# Altium PCB PCB_Power_Distribution.PcbDoc (part 2 of 3)
Units mm, origin at the board's own origin, x right, y up, seen from the top; angles counter-clockwise.
Board outline 80 x 80 mm, 4 copper layers (Top Layer, GND, POWER, Bottom Layer), stack 1.527 mm thick; 206 components, 111 nets, 596 pads, 345 vias.
Unrouted connection lines stored in the file: 3.
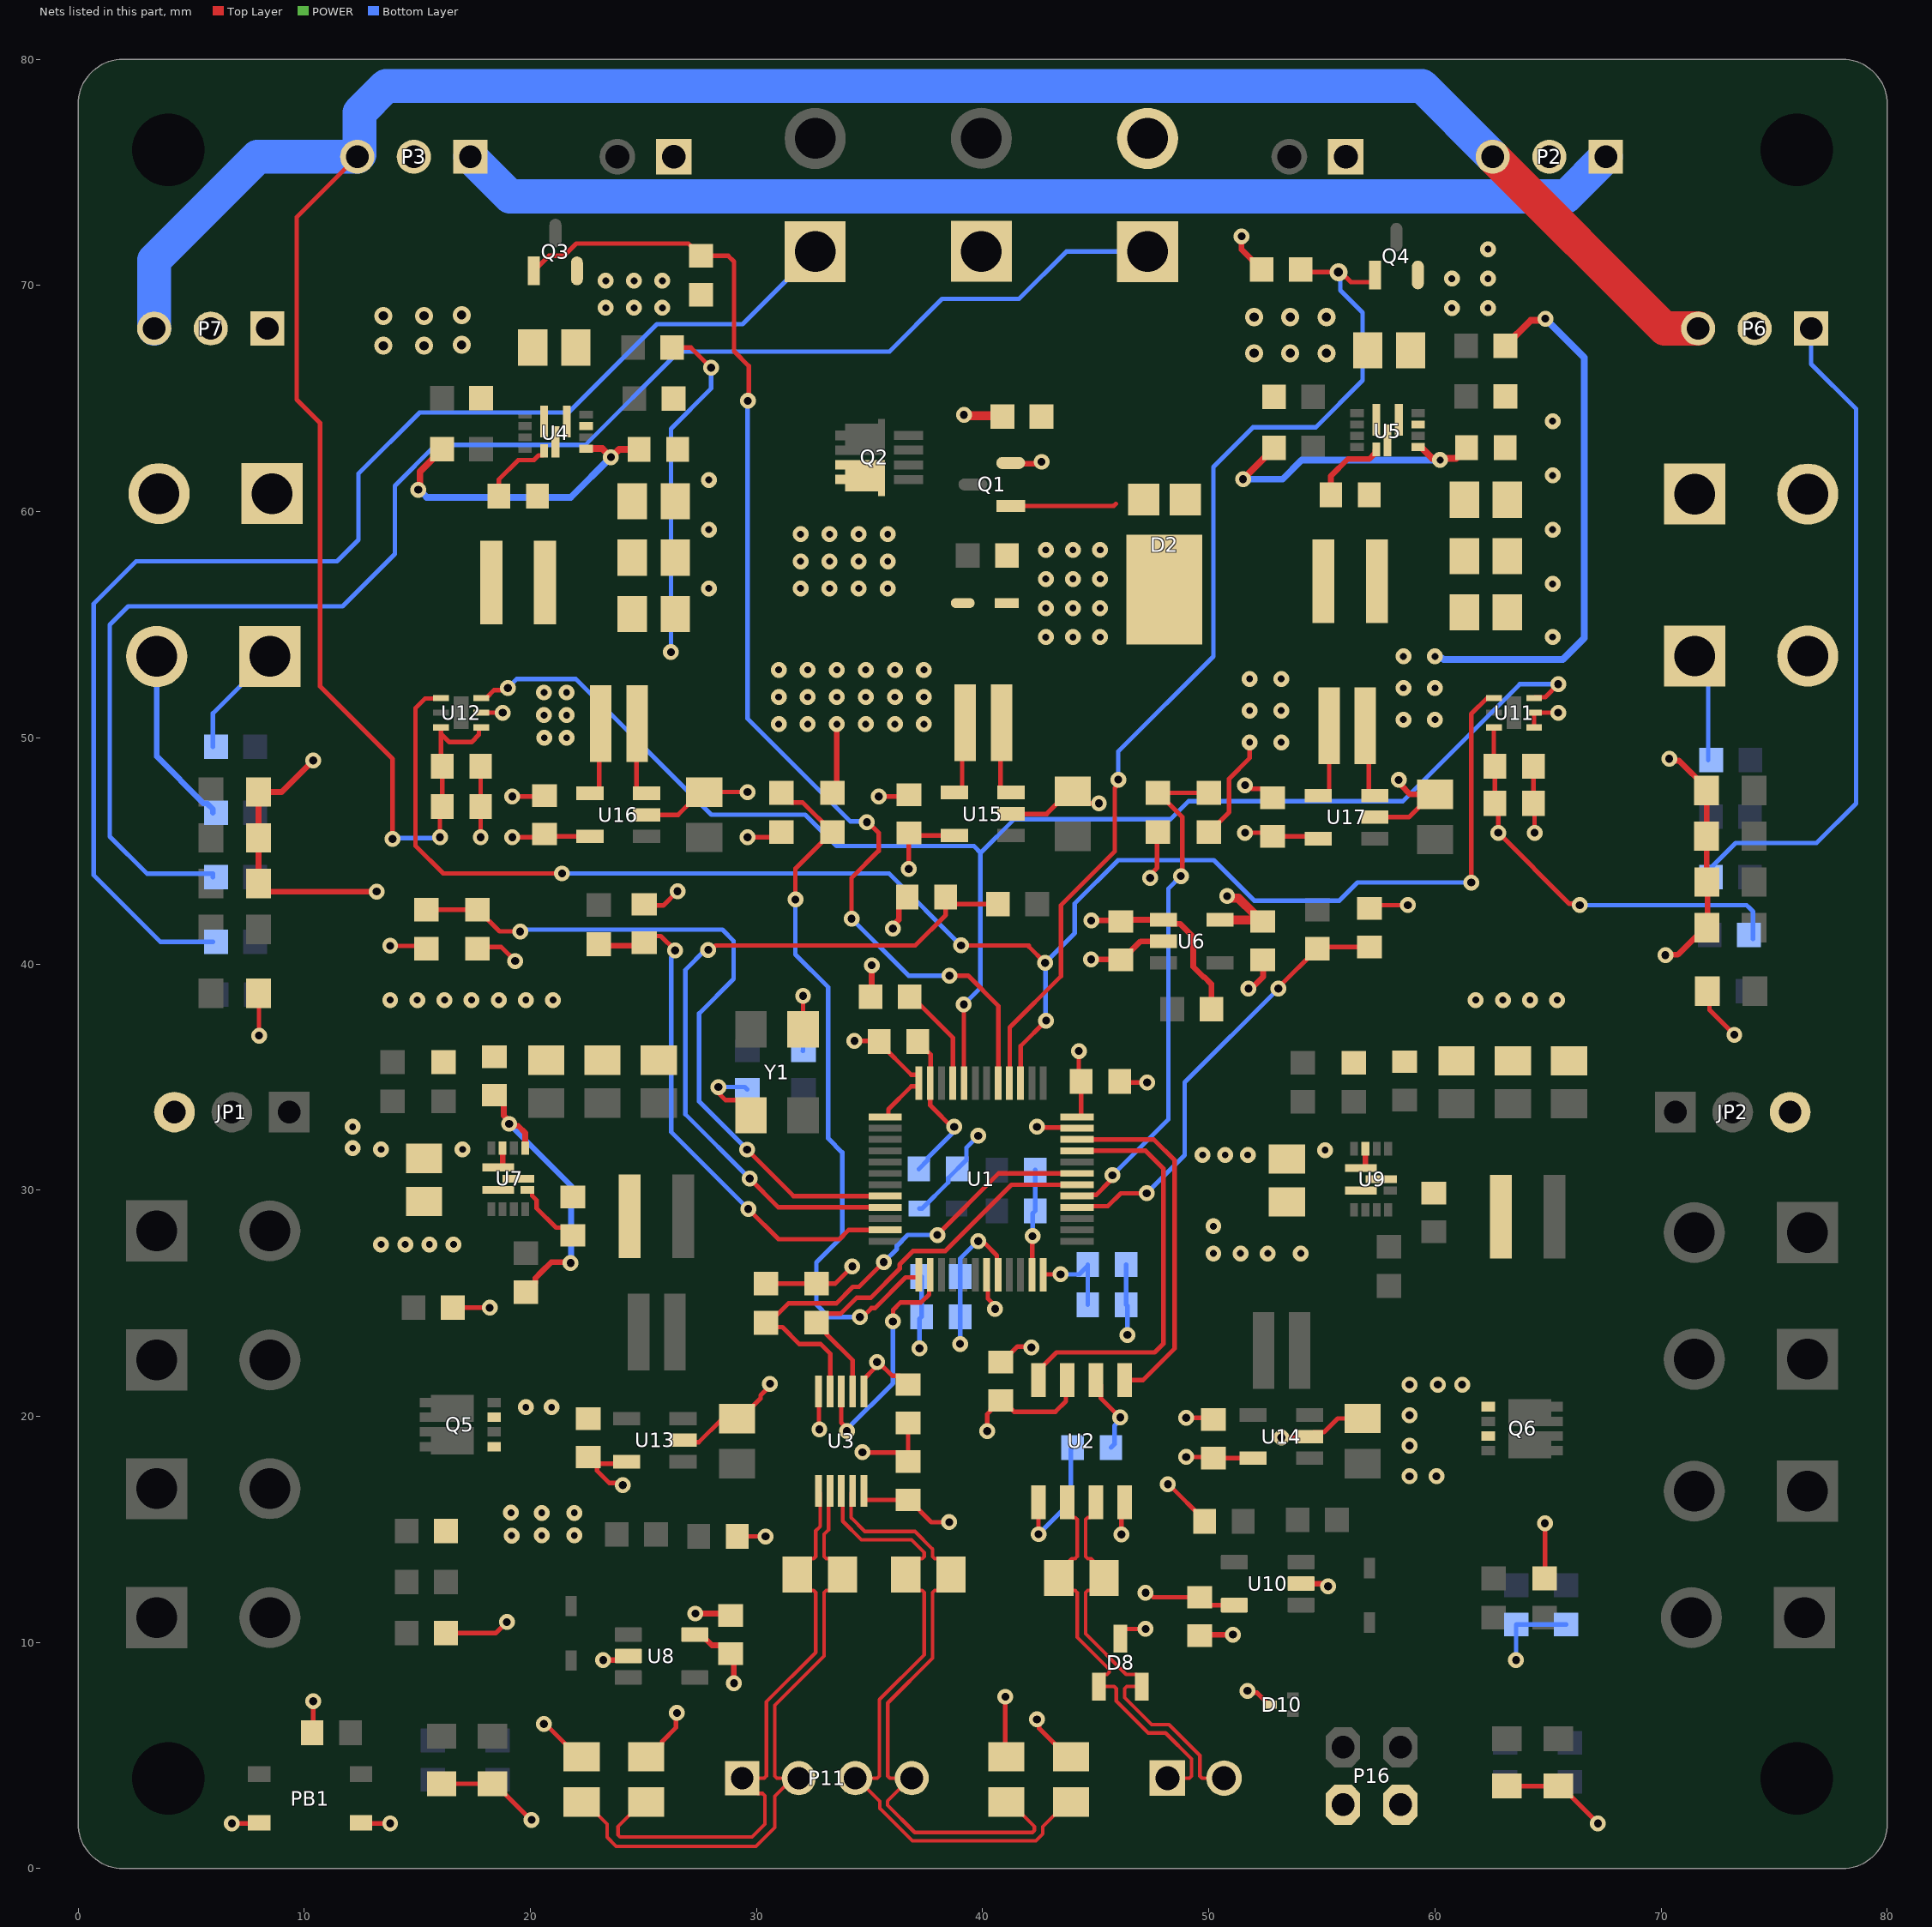
[diagram p4: the nets of this part, all layers, seen from the top]

## Part data
C1 C3 C4 C5 C11 C13 C14 C15 C16 C17 C23 C31 C37 C38 C44 C45 C47 C49 C50 C53 C54 C57: library part CMP-015-000000-1, "Capacitor, 100nF, 0603, 25V", Manufacturer="Wurth Elektronik", Manufacturer Part Number=885012206071, Voltage=25V
  C17: ClassName=REG5V
  C23: ClassName=REG3V3
  C31: ClassName=1PyroREG
  C37 C44 C49: ClassName="1Pyro OPAMP"
  C38: ClassName=2PyroREG
  C50: ClassName="1PyroR OPAMP"
  C53: ClassName="11V OPAMP"
  C54: ClassName="5V OPAMP"
  C57: ClassName="3V3 OPAMP"
C2 C7 C9 C22 C28 C29 C30 C36 C43: library part CMP-015-000000-1, "Capacitor, 1uF, 0603, 25V", Manufacturer="Wurth Elektronik", Manufacturer Part Number=885012206052, Volte=25V
  C22: ClassName=REG5V
  C28: ClassName=REG3V3
  C36: ClassName=1PyroREG
  C43: ClassName=2PyroREG
C6: library part CMP-015-000000-1, "Capacitor, 4.7uF, 0603, 25V", Manufacturer="Wurth Elektronik", Manufacturer Part Number=885012106012, Volte=10V
C8: library part CMP-015-000000-1, "Capacitor, 10nF, 0603, 25V", Manufacturer="Wurth Elektronik", Manufacturer Part Number=885012206065
C10 C12: library part CMP-015-000000-1, "Capacitor, 22pF, 0603, 25V", Manufacturer="Wurth Elektronik", Manufacturer Part Number=885012006034, Volte=25V
C18 C19 C20 C21 C24 C32 C33 C34 C35 C39 C40 C41 C42: library part CMP-015-000000-1, "Capacitor, 22uF, 0805, 25V", Manufacturer=Samsung, Manufacturer Part Number=CL21A226MAYNNNE, Voltage=25V, ClassName=REG5V
C25 C26 C27: library part CMP-015-000000-1, "None polar capacitor", Manufacturer=Samsung, Manufacturer Part Number=CL21A226MAYNNNE, Voltage=25V, ClassName=REG5V
C46 C48: library part CMP-015-000000-1, "Capacitor, 4.7uF, 0603, 10V", ASiD Part Number=C-AS, Manufacturer="Wurth Elektronik", Manufacturer Part Number=885012106012, Volte=10V, Component Type=Standard, Design Item ID="Cap ceramic", Pin Count=2, Source=PCB_Project1.SCHLIB
C51 C52 C55 C56 C58: library part CMP-015-000000-1, "Capacitor, 3.3nF, 0603, 25V", Manufacturer="Wurth Elektronik", Manufacturer Part Number=885012206062, Volte=25V
D1: library part CMP-1426-00012-2, "LED, 0805, Yellow", Case Code (Imperial)=0805, Case Code (Metric)=2012, Color=Yellow, Forward Current=100mA, Forward Voltage=2V, Manufacturer="Wurth Elektronik", Manufacturer Part Number=150080YS75000, Max Junction Temperature (Tj)=95°C, Max Operating Temperature=85°C, Max Reverse Voltage (DC)=5V, Min Operating Temperature=-40°C, Power Dissipation=72mW, Test Current=20mA, Case/Package=0805, Dominant Wavelength=590nm, Height=700µm, Length=2mm, Lens Style="Clear, Rectangular", Luminous Intensity=120mcd, Mount="Surface Mount", NexarPartId=29717784, Packaging="Tape and Reel", Peak Wavelength=595nm, REACH SVHC=Unknown, Reverse Voltage=5V, RoHS=Compliant, Viewing Angle=140°, Wavelength=590nm, Width=1.25mm
D2: library part CMP-004-00009-1, "Rectifier Diode, 1 Phase, 1 Element, 20A, 60V V(RRM), Silicon", Manufacturer="Diodes Incorporated", Manufacturer Part Number=SBRT20U60SP5-7
D3 D4 D5 D6 D7: library part CMP-1426-00007-2, "LED, 0805, Green", Manufacturer="Wurth Elektronik", Manufacturer Part Number=150080GS75000
D8: library part CMP-004-00006-2, "Supresor de ESD / diodos TVS 27V CAN BUS Protection", Case/Package=None, Manufacturer=Onsemi, Manufacturer Part Number=NUP2105LT1G, Pins=3
D9: library part CMP-14432-000007-1, "TVS DIODE 15VWM 44VC SOD323", Manufacturer=Nexperia, Manufacturer Part Number=PESD15VL1BA,115
D10: library part CMP-004-00007-1, "Supresores de ESD / diodos TVS TVS 400W, Stand-off voltage = 15V, +/- 5%, Bi-dir", Manufacturer="Micochip Technology", Manufacturer Part Number=SMAJ15CAE3/TR13
D11 D16 D19 D20: library part CMP-1426-00011-2, "LED, 0805, Red", Case Code (Imperial)=0805, Case Code (Metric)=2012, Color=Red, Forward Current=100mA, Forward Voltage=2V, Manufacturer="Wurth Elektronik", Max Operating Temperature=85°C, Max Reverse Voltage (DC)=5V, Min Operating Temperature=-40°C, Test Current=20mA, Case/Package=0805, Dominant Wavelength=625nm, Height=700µm, Length=2mm, Lens Style="Clear, Rectangular", Luminous Intensity=150mcd, Manufacturer Part Number=150080RS75000, Mount="Surface Mount", NexarPartId=29717781, Packaging="Tape and Reel", Peak Wavelength=630nm, REACH SVHC=Unknown, RoHS=Compliant, Viewing Angle=140°, Wavelength=625nm, Width=1.25mm
D12: library part CMP-03913-89970695-1, "LED, 0805, Amber", Manufacturer="Wurth Elektronik", Manufacturer Part Number=150080AS75000
D13 D18: library part CMP-100-000001-3, "BAT54HGW Schotty Diode", Manufacturer=Nexperia, Manufacturer Part Number=BAT54HGW
D14 D15: library part CMP-1426-00011-2, Case Code (Imperial)=0805, Case Code (Metric)=2012, Color=Red, Forward Current=100mA, Forward Voltage=2V, Manufacturer="Wurth Elektronik", Max Operating Temperature=85°C, Max Reverse Voltage (DC)=5V, Min Operating Temperature=-40°C, Test Current=20mA, Case/Package=0805, Dominant Wavelength=625nm, Height=700µm, Length=2mm, Lens Style="Clear, Rectangular", Luminous Intensity=150mcd, Manufacturer Part Number=150080RS75000, Mount="Surface Mount", NexarPartId=29717781, Packaging="Tape and Reel", Peak Wavelength=630nm, REACH SVHC=Unknown, RoHS=Compliant, Viewing Angle=140°, Wavelength=625nm, Width=1.25mm
D17: library part CMP-03913-89970695-1, "Amber", Manufacturer="Wurth Elektronik", Manufacturer Part Number=150080AS75000
FB1: library part CMP-0220-00174-3, "Ferrite Bead, 120R at 100MHz, 0603, 2 A", Manufacturer="Wurth Elektronik", Manufacturer Part Number=742792625
JP1 JP2: library part CMP-002-00265-1
L1 L3 L4: library part CMP-03913-66963831-2, "74438356015 Fixed Ind 1.5UH 5.8A 19 Mohm SMD", Manufacturer="Wurth Elektronik", Manufacturer Part Number=74438356015
  L1: ClassName=REG5V
  L3: ClassName=1PyroREG
  L4: ClassName=2PyroREG
L2: library part CMP-207846-000036-3, "FIXED IND 1.2UH 5.8A 18 MOHM SMD", Manufacturer="Wurth Elektronik", Manufacturer Part Number=74438356012, ClassName=REG3V3
P1 P10 P15: library part CMP-016-000011-6, "Header, 2-Pin", ASiD Part Number="Header 2-AS", Component Type=Standard, Design Item ID="Header 2", Pin Count=2, Source=PCB_Project1.SCHLIB
P2 P3 P6 P7: library part CMP-016-000017-5, "Header, 3-Pin", ASiD Part Number="Header 3-AS", Component Type=Standard, Design Item ID="Header 3", Pin Count=3, Source=PCB_Project1.SCHLIB
P4 P8 P9 P17 P18 P19 P20 P21 P22 P23 P24: library part CMP-002-00004-11, "XT30PW-M公头 Socket,DCsupply,XT30,male,PIN:2", Manufacturer=AMASS
  P4 P9 P17 P18 P19 P20 P21 P22 P23 P24: Manufacturer Part Number=XT30U-M-Black
  P8: Manufacturer Part Number=XT30U-F-Black
P5: library part CMP-002-00004-7, "XT30PW-M公头 Socket,DCsupply,XT30,male,PIN:2", Manufacturer=AMASS, Manufacturer Part Number=XT30U-F-Yellow
P11: library part CMP-016-000019-4, "Header, 4-Pin", ASiD Part Number="Header 4-AS", Component Type=Standard, Design Item ID="Header 4", Pin Count=4, Source=PCB_Project1.SCHLIB
P12 P13 P14: library part CMP-002-00004-7, "XT30PW-M公头 Socket,DCsupply,XT30,male,PIN:2", Manufacturer=AMASS, Manufacturer Part Number=XT30U-M-Yellow
P16: library part CMP-016-000016-1, "Header, 2-Pin, Dual row"
PB1: library part CMP-010-000001-2, "Push Button", Component Type=Standard, Design Item ID="Push Button", Pin Count=2, Source=IFS_Altium.SchLib
Q1 Q3 Q4: library part CMP-013-00010-1, "Power Field-Effect Transistor, 6.3A I(D), 20V, 0.021ohm, 1-Element, N-Channel, Silicon, Metal-oxide Semiconductor FET, TO-236AB", Max Operating Temperature=150°C, Pins=3, RoHS Compliant=Yes
Q2: library part CMP-013-00009-3, "Power Field-Effect Transistor, 101A I(D), 30V, 0.0045ohm, 2-Element, N-Channel, Silicon, Metal-oxide Semiconductor FET", RoHS Compliant=Yes
Q5 Q6: library part CMP-013-00011-1, "Small Signal Field-Effect Transistor", RoHS Compliant=Yes
R1 R17 R19 R28 R48 R49 R50 R53 R54 R55 R61 R62: library part R, "Resistor, 10K, 0603, 0.1W", Manufacturer=Wurth, Manufacturer Part Number=560112116005, Power Disipation=0.1W
  R1 R17 R19 R28 R48 R49 R53 R54 R55 R61 R62: ClassName=2PyroREG
  R50: ClassName=DroguePyroREG
R2 R36 R41 R42 R46 R51 R52: library part CMP-009-000000-3, "Resistor, 1K, 0603, 0.1W", Manufacturer=Wurth, Manufacturer Part Number=560112116014, Power Disipation=0.1W
R3 R8 R9 R11: library part CMP-009-000000-3, "Resistor, 600R, 0805, 0.5W", Manufacturer=Panasonic, Manufacturer Part Number=ERJ-6ENF6040V, Power Disipation=0.125W
R4 R7 R10: library part CMP-009-000000-3, "Resistor, 120R, 0805, 0.25W", Manufacturer=Vishay, Manufacturer Part Number=RCS0805120RFKEA, Power Disipation=0.5W
R5 R6: library part CMP-009-000000-3, "Resistor, 1.5K, 0603, 0.1W", Manufacturer=Wurth, Manufacturer Part Number=560112116038, Power Disipation=0.1W
R12 R13 R18 R20 R23 R31 R32 R37 R47 R60: library part R, "Resistor, 100K, 0603, 0.1W", Manufacturer=Wurth, Manufacturer Part Number=560112116004, Power Disipation=0.1W, ClassName=REG5V
R14 R15 R21 R33 R43: library part CMP-009-000000-6, "Resistor, 5m, 0612, 2W", Manufacturer=Vishay, Manufacturer Part Number=WFCP06125L000FE66
  R14: ClassName="5V OPAMP"
  R15: ClassName="11V OPAMP"
  R21: ClassName="3V3 OPAMP"
  R33: ClassName="1Pyro OPAMP"
  R43: ClassName="2Pyro OPAMP"
R16: library part R, "Resistor, 75K, 0603, 0.1W", Manufacturer=Wurth, Manufacturer Part Number=560112110261, Power Disipation=0.1W, ClassName=REG5V
R22: library part R, "Resistor, 45.3kK, 0603, 0.1W", Manufacturer=Wurth, Manufacturer Part Number=560112110243, Power Disipation=0.1W, ClassName=REG3V3
R24 R25 R26: library part CMP-009-000000-3, "Resistor, 4K, 0603, 0.1W", Manufacturer=Wurth, Manufacturer Part Number=560112116093, Power Disipation=0.1W
R27: library part CMP-009-000000-3, "Resistor, 470K, 0603, 0.1W", Manufacturer=Wurth, Manufacturer Part Number=560112116067, Power Disipation=0.1W
R29: library part CMP-009-000000-3, "Resistor, 1kK, 0603, 0.1W", Manufacturer=Wurth, Manufacturer Part Number=560112116014, Power Disipation=0.1W
R30: library part R, "Resistor, 75K, 0603, 0.1W", Manufacturer=Wurth, Manufacturer Part Number=560112116004, Power Disipation=0.1W, ClassName=REG5V
R34 R44: library part CMP-009-000000-3, "Resistor, 4.7K, 0603, 0.1W", Manufacturer=Wurth, Manufacturer Part Number=560112116006, Power Disipation=0.1W
R35 R45: library part R, "Resistor, 105K, 0603, 0.1W", Manufacturer=Wurth, Manufacturer Part Number=560112110183, Power Disipation=0.1W
  R35: ClassName=1PyroREG
  R45: ClassName=2PyroREG
R38 R39 R40: library part R, "Resistor, 10K, 0603, 0.1W", Manufacturer=Vishay, Manufacturer Part Number=RCS060310K0FKEA, Power Disipation=0.25W
  R38 R39: ClassName=1PyroREG
  R40: ClassName=MainPyroREG
R56 R57 R59: library part CMP-009-000000-3, "Resistor, 15K, 0603, 0.1W", Manufacturer=Wurth, Manufacturer Part Number=560112116035, Power Disipation=0.1
R58: library part CMP-009-000000-3, "Resistor, 2.4K, 0603, 0.1W", Manufacturer=Wurth, Manufacturer Part Number=560112116061, Power Disipation=0.1W
R63 R64 R67 R68 R71: library part CMP-009-000000-3, "Resistor, 470R, 0603, 0.1W", Manufacturer=Wurth, Manufacturer Part Number=560112116067, Power Disipation=0.1W
R65 R66 R69 R70 R72: library part CMP-009-000000-3, "Resistor, 400K, 0805, 125mW", Manufacturer=Vishay, Manufacturer Part Number=CRCW0805400KJNTA, Power Disipation=125mW
  R65: ClassName="1Pyro OPAMP"
  R66: ClassName="1PyroR OPAMP"
  R69: ClassName="11V OPAMP"
  R70: ClassName="5V OPAMP"
  R72: ClassName="3V3 OPAMP"
U1: library part CMP-020-00001-5, "Microcontroladores ARM (MCU) Mainstream Arm Cortex-M4+ MCU 170MHz 512Kbytes Math Accelerator High Analog", Manufacturer=STMicroelectronics, Manufacturer Part Number=STM32G483CET3
U2: library part CMP-00024-00000-3, "Interfaz CI CAN CAN FD Transceiver with Silent Mode", Manufacturer="Microchip Technology", Manufacturer Part Number=MCP2558FD-H/SN
U3: library part CMP-00024-00001-1, "2 Channel  I2C-busbuffer", Manufacturer="NXP Semiconductors", Manufacturer Part Number=PCA9615DPZ
U4 U5 U7 U9: library part CMP-012-00004-1, "Switching Regulator, 1200kHz Switching Freq-Max", Manufacturer="Diodes Incorporated", Manufacturer Part Number=AP62600SJ-7
  U4: ClassName=REG5V
  U5: ClassName=REG3V3
  U7: ClassName=1PyroREG
  U9: ClassName=2PyroREG
U6: library part CMP-087-000000-3, "LDO Voltage Regulators 1A Low-IQ Small-Size Low-Dropout (LDO) Regulator 5-SOT-23 -40 to 125", Manufacturer="Texas Instruments", Manufacturer Part Number=TLV75733PDBVR
U8: library part CMP-0272-00929-3, "Single-Supply, Rail-to-Rail Operational Amplifier MicroAmplifier(TM) Series, 2.7 to 5.5 V, -40 to 85 degC, 5-pin SOT23 (DBV5), Green (RoHS & no Sb/Br)", Manufacturer="Texas Instruments", ComponentLink1Description="Manufacturer URL", ComponentLink1URL=http://www.ti.com/, ComponentLink2Description=Datasheet, ComponentLink2URL=http://www.ti.com/general/docs/lit/getliterature.tsp?genericPartNumber=OPA340&fileType=pdf, ComponentLink3Description="Package Specification", ComponentLink3URL=http://www.ti.com/litv/pdf/mpds018i, Manufacturer Part Number=OPA340NA/3K
U10: library part CMP-0272-00929-3, "Single-Supply, Rail-to-Rail Operational Amplifier MicroAmplifier(TM) Series, 2.7 to 5.5 V, -40 to 85 degC, 5-pin SOT23 (DBV5), Green (RoHS & no Sb/Br)", ComponentLink1Description="Manufacturer URL", ComponentLink1URL=http://www.ti.com/, ComponentLink2Description=Datasheet, ComponentLink2URL=http://www.ti.com/general/docs/lit/getliterature.tsp?genericPartNumber=OPA340&fileType=pdf, ComponentLink3Description="Package Specification", ComponentLink3URL=http://www.ti.com/litv/pdf/mpds018i, Manucaturer="Texas Instruments", Manufacturer Part Number=OPA340NA/3K
U11 U12: library part CMP-010-00003-1, "Analog Resistance Temperature Sensor", Manufacturer="Wurth Elektronik", Manufacturer Part Number=WSEN-TIDS
U13 U14 U15 U16 U17: library part CMP-014-00004-3, "Shunt Current Measure Amplifier", Manufacturer="Texas Instruments", Manufacturer Part Number=INA138NA/3K
  U13: ClassName="1Pyro OPAMP"
  U14: ClassName="1PyroR OPAMP"
  U15: ClassName="11V OPAMP"
  U16: ClassName="5V OPAMP"
  U17: ClassName="3V3 OPAMP"
Y1: library part CMP-003-00162-1, "WE-XTAL Quartz Crystal, SMT, CFPX-104, 8MHz,", Frequency=8MHz, Load Capacitance=18pF, Manufacturer="Wurth Elektronik", Manufacturer Part Number=830055663, ComponentLink1Description="Website Link", ComponentLink1URL=https://www.we-online.com/redexpert/article/830055663?ad, ComponentLink2Description="Datasheet Link", ComponentLink2URL=https://www.we-online.com/redexpert/spec/830055663?ad, Length=5mm, Match Code=WE-XTAL

## Free pads (board coordinates)
  round 1.524 hole 3.2: 2(3.99,3.995) 2(3.99,75.995) 2(75.99,3.995) 2(75.99,75.995)

## Via types
v1: diameter 0.7, hole 0.35, Top Layer to Bottom Layer, 200 vias
v2: diameter 0.7, hole 0.3, Top Layer to Bottom Layer, 132 vias
v3: diameter 0.8, hole 0.4, Top Layer to Bottom Layer, 13 vias

## Nets (pads, with @x,y where several pads share a name; then routed paths per layer and width w, separated by ;. In a path a pad name is that pad's centre, name@x,y a point inside that pad or via, vN(x,y) a via of type N, cw(c..) or ccw(c..) an arc to the next point about the centre after c; other vN are vias at no path point)
3V3_Current+: C25.1 C26.1 C27.1 L2.2 R21.1 R22.1 U17.3 | length 27.5
  Top Layer w0.2: R21.1@56.915,50.528 57.068,50.375 57.068,47.641 57.268,47.441 U17.3@57.335,47.441
  Top Layer w0.3: R22.1@63.111,67.322 63.111,67.337 64.225,68.451 64.8,68.451 v1(64.877,68.528)
  Bottom Layer w0.3: v2(60,53.6) 60.077,53.523 60.315,53.523 60.376,53.463 65.651,53.463 66.6,54.412 66.6,66.805 v1(64.877,68.528)
  other v2: 58.6,50.8 60,50.8 58.6,52.2 60,52.2 58.6,53.6
3V3_Current-: C45.2 C46.2 C47.2 C48.2 P2.3 P3.3 P5.P P6.3 P7.3 R21.2 R27.2 R55.1 U11.3 U12.3 U12.4 U17.4 | length 149.3
  Top Layer w0.2: P3.3@12.345,75.69 9.669,73.014 9.669,64.946 10.704,63.911 10.704,52.263 13.907,49.06 v1(13.907,45.528) ; v1(16,45.6) 16,46.859 C48.2@16.102,46.961 C47.2@16.102,48.739 16.05,48.791 16.05,50.172 ; U12.3@16.05,50.456 16.05,50.172 ; U12.4@17.83,50.456 17.762,50.456 17.727,50.421 17.727,50.138 17.395,49.806 16.417,49.806 16.05,50.172 ; R55.1@50,45.835 50.015,45.835 50.896,46.716 50.896,48.193 51.8,49.097 v2(51.8,49.8) ; U17.4@54.835,47.441 55.115,47.441 55.315,47.641 R21.2@55.315,50.528 ; U11.3@62.6,50.456 62.6,48.789 C45.2@62.65,48.739 C46.2@62.65,47.1 62.8,46.95 v1(62.8,45.8) 65.94,42.66 66.34,42.66 v1(66.4,42.6)
  Top Layer w1.5: P2.3@62.55,75.69 70.145,68.095 P6.3@71.63,68.095
  Bottom Layer w0.2: v1(13.907,45.528) 13.943,45.564 15.964,45.564 v1(16,45.6) ; v1(66.4,42.6) 73.773,42.6 73.894,42.479 74.061,42.312 R27.2@74.061,41.108
  Bottom Layer w1.5: P7.3@3.37,68.095 3.37,71.121 7.939,75.69 P3.3@12.345,75.69 12.442,75.787 12.442,77.642 13.615,78.815 59.425,78.815 P2.3@62.55,75.69
  other v2: 53.2,49.8 51.8,51.2 53.2,51.2 51.8,52.6 53.2,52.6
5V_Current+: C19.1 C20.1 C21.1 L1.2 R14.1 R16.1 U16.3 | length 18.8
  Top Layer w0.2: R14.1@24.715,50.628 24.687,50.6 24.687,47.741 24.887,47.541 U16.3@25.135,47.541 ; R16.1@26.265,67.254 27.096,67.254 v1(27.992,66.358)
  Bottom Layer w0.2: v1(26.215,53.783) 26.215,63.662 27.992,65.439 v1(27.992,66.358)
5V_Current-: C15.2 C30.2 C37.2 C44.2 C49.2 C50.2 C53.2 C54.2 C57.2 P2.1 P3.1 P6.1 P7.1 P8.P R14.2 R29.2 R30.1 R54.1 U2.3 U6.1 U8.5 U10.5 U13.5 U14.5 U15.5 U16.4 U16.5 U17.5 | length 126.2
  Top Layer w0.2: v1(13.8,40.8) 15.27,40.8 R54.1@15.4,40.67 ; v1(19.2,45.6) 20.472,45.6 C54.2@20.617,45.745 20.722,45.641 U16.5@22.635,45.641 ; C49.2@22.559,18.198 C49.2@22.559,17.9 ; U16.4@22.635,47.541 22.843,47.541 23.043,47.741 23.043,50.556 R14.2@23.115,50.628 ; U13.5@23.75,17.9 22.837,17.9 C49.2@22.559,17.9 ; v1(24.086,16.957) 23.99,17.053 23.491,17.053 22.945,17.598 22.945,17.798 22.844,17.9 C49.2@22.559,17.9 ; v1(36.726,44.196) 36.726,45.779 C53.2@36.732,45.785 36.837,45.68 U15.5@38.75,45.68 ; v1(40.198,19.344) 40.198,20.098 40.35,20.25 40.35,20.3 40.75,20.7 C15.2@40.8,20.7 41.2,20.3 41.287,20.3 41.387,20.2 43.21,20.2 43.677,20.667 43.677,21.547 U2.3@43.73,21.6 ; v1(47.2,12.2) 47.335,12.2 47.535,12 C44.2@49.6,12 49.95,11.65 U10.5@51.125,11.65 ; v1(49,18.2) 50.149,18.2 C50.2@50.195,18.154 51.946,18.154 U14.5@51.95,18.15 ; v1(51.6,45.8) 53.112,45.8 53.267,45.645 54.731,45.645 U17.5@54.835,45.541 ; C57.2@52.817,45.645 C57.2@53.175,45.645
  Top Layer w0.254: U8.5@27.275,10.35 27.55,10.35 28.027,9.873 28.477,9.873 29,9.35 v1(29,8.2) ; v1(44.8,41.919) 45.912,41.919 46.031,41.8 46.181,41.95 U6.1@47.997,41.95 48.17,41.777 48.718,41.777 49.307,41.189 49.307,39.878 49.761,39.423 49.796,39.423 50.112,39.108 R30.1@50.112,38
  POWER w1: P8.P@8.37,61.005 P8.P@8.58,60.795
  Bottom Layer w0.2: R29.2@72.061,43.963 72.061,44.113 73.293,45.344 74.919,45.344 76.866,45.344 78.615,47.094 78.615,50.29 78.615,64.539 76.63,66.525 P6.1@76.63,68.095 ; P6.1@76.376,68.349 P6.1@76.552,68.173
  Bottom Layer w1.5: P3.1@17.345,75.69 19.099,73.936 65.796,73.936 P2.1@67.55,75.69
  other v2: 20.616,50.002 21.6,50 20.6,51 21.6,51 20.6,52 21.6,52
11V_1_EN: Q4.1 R32.1 U1.40 | length 48.2
  Top Layer w0.2: U1.40@41.176,34.727 41.195,34.746 41.195,37.195 43.46,39.46 43.46,42.596 45.842,44.978 45.842,47.781 45.897,47.836 45.897,48.053 v1(45.992,48.148) ; R32.1@53.8,70.8 54.013,70.587 55.839,70.587 56.281,70.145 Q4.1@57.34,70.145
  Bottom Layer w0.2: v1(45.992,48.148) 45.992,49.392 50.2,53.6 50.2,61.976 51.946,63.722 54.722,63.722 56.8,65.8 56.8,68.8 55.813,69.787 55.813,70.506 v3(55.732,70.587)
11V_2_EN: Q3.1 R31.1 U1.41 | length 53.9
  Top Layer w0.2: Q3.1@20.158,70.641 20.829,71.312 21.491,71.312 22.033,71.853 26.988,71.853 27.105,71.736 27.53,71.31 28.745,71.31 29,71.055 29,67.089 29.656,66.432 29.656,64.938 v1(29.612,64.893) ; v1(34.2,42) 34.2,43.8 35.4,45 35.4,45.8 34.938,46.262 v1(34.879,46.262) ; v1(38.528,39.483) 39.354,39.483 40.691,38.145 40.691,34.742 U1.41@40.676,34.727
  Bottom Layer w0.2: v1(29.612,64.893) 29.596,64.878 29.596,50.852 34.144,46.304 34.837,46.304 v1(34.879,46.262) ; v1(34.2,42) 36.717,39.483 v1(38.528,39.483)
11V_Current+: D2.2 D9.1 P12.P P14.P R15.1 R17.2 R24.2 U15.3 | length 62
  Top Layer w0.2: U15.3@40.789,47.753 R15.1@40.789,50.626
  Top Layer w0.254: U15.3@40.789,47.753 40.962,47.58 U15.3@41.25,47.58 ; R15.1@40.789,50.626 R15.1@40.83,50.668
  Bottom Layer w0.2: R24.2@5.965,40.976 3.639,40.976 0.692,43.923 0.692,55.925 2.568,57.8 11.447,57.8 12.4,58.753 12.4,61.68 15.101,64.381 21.686,64.381 25.592,68.287 29.382,68.287 P12.P@32.59,71.495
  other v2: 42.792,54.45 43.992,54.45 45.192,54.45 42.792,55.734 43.992,55.734 45.192,55.734 42.792,57.019 43.992,57.019 45.192,57.019 42.792,58.303 43.992,58.303 45.192,58.303
11V_Current-: C18.1 C24.1 P4.N P9.N P10.1 P15.1 R13.1 R15.2 R20.1 R26.2 R53.1 U4.2 U5.2 U15.4 | length 14.5
  Top Layer w0.2: U15.4@38.75,47.58 38.891,47.58 39.091,47.78 39.091,50.528 R15.2@39.23,50.668
  Top Layer w0.254: R53.1@33.354,47.565 33.546,47.757 v2(33.546,50.6)
  Bottom Layer w0.254: P4.N@3.48,53.595 3.48,49.169 5.552,47.097 5.702,47.097 5.965,46.834 R26.2@5.965,46.684
  other v2: 30.977,50.6 32.262,50.6 34.831,50.6 36.115,50.6 37.4,50.6 30.977,51.8 32.262,51.8 33.546,51.8 34.831,51.8 36.115,51.8 37.4,51.8 30.977,53 32.262,53 33.546,53 34.831,53 36.115,53 37.4,53
  other v3: 52,67 53.6,67 55.2,67 13.497,67.335 15.297,67.335 16.963,67.371 52,68.6 53.6,68.6 55.2,68.6 13.497,68.651 15.297,68.651 16.963,68.687
+3V3_ASensing: C58.2 R71.1 U1.28 | length 19.6
  Top Layer w0.2: U1.28@44.164,29.239 44.21,29.285 45.528,29.285 46.103,29.859 v1(47.248,29.859) ; v1(53.072,38.907) 53.072,38.957 54.785,40.67 R71.1@54.8,40.67 54.88,40.75 C58.2@57.1,40.75
  Bottom Layer w0.2: v1(47.248,29.859) 48.931,31.543 48.931,34.767 v1(53.072,38.907)
+3V3_C: C3.2 C4.2 C5.2 C6.2 C7.2 C13.2 C14.2 C16.2 C29.2 FB1.1 P16.4 R5.1 R6.1 R8.2 R9.1 U1.1 U1.24 U1.36 U1.48 U2.5 U3.1 U3.10 U6.5 | length 46
  Top Layer w0.2: v1(20.6,6.4) 20.655,6.4 22.111,4.944 R9.1@22.261,4.944 ; R5.1@32.645,25.872 30.427,25.872 R6.1@30.418,25.863 33.468,25.863 v1(34.232,26.627) ; v1(34.327,36.596) 35.395,36.596 C5.2@35.426,36.566 35.426,36.516 36.843,35.098 37.126,35.098 37.176,35.048 37.176,34.635 37.126,34.585 36.843,34.585 35.83,33.572 35.83,33.289 35.78,33.239 U1.1@35.688,33.239 ; U3.10@34.746,16.7 34.746,16.35 34.796,16.3 C14.2@36.7,16.3 36.75,16.3 37.732,15.318 v1(38.516,15.318) ; U3.1@34.746,21.1 34.746,21.65 35.231,22.135 35.231,22.304 v1(35.327,22.4) ; v1@35.4,22.395 36.008,21.786 36.318,21.786 C13.2@36.7,21.404 ; v1(42.4,6.6) 42.496,6.504 42.496,6.199 43.75,4.944 R8.2@43.9,4.944 ; U2.5@42.46,16.2 42.466,16.194 v1(42.466,14.786) ; U1.24@42.676,26.251 42.702,26.277 v1(43.438,26.277) ; U1.36@44.164,33.239 44.305,33.239 44.355,33.289 C4.2@44.355,34.808 44.25,34.913 v1(44.25,36.15)
  Top Layer w0.4: U6.5@50.497,41.95 C29.2@52.023,41.95 ; v1(50.806,42.998) 50.891,42.913 51.3,42.913 52.023,42.19 52.023,41.875 C29.2@52.388,41.875
  Bottom Layer w0.2: FB1.1@37.201,29.189 37.326,29.189 38.476,30.339 38.476,30.53 39.276,31.33 39.276,31.876 v1(39.8,32.4) ; v1(42.466,14.786) 43.9,16.22 43.9,18.545 C16.2@43.969,18.614 ; v1(43.438,26.277) 44.261,26.277 C6.2@44.645,26.661 ; C3.2@44.645,24.933 C6.2@44.645,26.661 ; C6.2@44.645,26.711 C6.2@44.645,26.661
+3V3_VSensing: R55.2 R60.1 U1.29 | length 22.9
  Top Layer w0.2: U1.29@44.164,29.739 44.752,29.739 44.802,29.789 45.026,29.789 45.638,30.401 45.638,30.559 v1(45.733,30.655) ; R60.1@47.746,47.565 R60.1@47.761,47.565 ; v1(48.763,43.882) 48.821,43.94 48.821,46.505 R60.1@47.761,47.565 ; R55.2@50,47.565 R60.1@47.761,47.565
  Bottom Layer w0.2: v1(45.733,30.655) 48.207,33.128 48.207,43.327 v1(48.763,43.882)
+5V_ASensing: C55.2 R68.1 U1.11 | length 23.5
  Top Layer w0.2: C55.2@25.032,40.935 25.333,41.235 25.765,41.235 v1(26.4,40.6) ; v1(29.634,29.168) 30.971,27.831 33.664,27.831 34.072,28.239 U1.11@35.688,28.239
  Top Layer w0.254: R68.1@23.01,40.805 24.902,40.805 C55.2@25.032,40.935
  Bottom Layer w0.2: v1(26.4,40.6) 26.4,40.465 26.224,40.289 26.224,32.576 29.632,29.168 v1(29.634,29.168)
+5V_VSensing: R54.2 R59.2 U1.8 | length 31.9
  Top Layer w0.2: R54.2@15.4,42.4 R59.2@17.654,42.4 17.669,42.4 18.631,41.438 19.542,41.438 v1(19.547,41.432) ; v1(29.587,31.791) 29.587,31.781 31.629,29.739 U1.8@35.688,29.739
  Bottom Layer w0.2: v1(19.547,41.432) 19.628,41.513 28.487,41.513 28.988,41.012 28.988,39.335 27.463,37.811 27.463,33.915 v1(29.587,31.791)
+11V_ASensing: C56.2 R67.1 U1.9 | length 32.7
  Top Layer w0.2: v1(27.862,40.621) 27.997,40.621 28.192,40.816 37.016,40.816 38.363,42.163 C56.2@38.363,42.952 38.675,42.64 R67.1@40.675,42.64 ; v1(29.693,30.514) 30.968,29.239 U1.9@35.688,29.239
  Bottom Layer w0.2: v1(27.862,40.621) 27.741,40.621 26.851,39.732 26.851,33.355 v1(29.693,30.514)
+11V_Pyro1: C32.1 P4.P R34.2 U7.2 | length 5
  Bottom Layer w0.2: R34.2@5.965,49.6 5.965,51.08 P4.P@8.48,53.595
  other v2: 13.4,27.6 14.467,27.6 15.533,27.6 16.6,27.6
+11V_Pyro_2: C39.1 P9.P R44.2 U9.2 | length 4.8
  Bottom Layer w0.2: P9.P@71.48,53.612 72.077,53.016 R44.2@72.077,49.012
  other v2: 50.2,27.2 51.4,27.2 52.6,27.2 54.062,27.2 50.2,28.4
+11V_VSensing: R53.2 R58.2 U1.13 | length 31.4
  Top Layer w0.2: R58.2@31.1,47.565 31.525,47.14 32.034,47.14 R53.2@33.339,45.835 ; v1(31.718,42.846) 31.718,44.214 R53.2@33.339,45.835 ; R53.2@33.354,45.835 R53.2@33.339,45.835 ; v1(34.566,24.387) 34.683,24.387 35.084,24.788 35.236,24.788 36.59,26.142 37.126,26.142 37.126,26.201 U1.13@37.176,26.251
  Bottom Layer w0.2: v1(31.718,42.846) 31.718,40.42 33.169,38.969 33.169,32.281 33.786,31.664 33.786,27.949 32.645,26.807 32.645,24.94 33.199,24.387 v1(34.566,24.387)
+11VU: D2.1 P13.P Q1.1 R12.1 R25.2 | length 73.6
  Top Layer w0.2: Q1.1@41.55,60.25 45.789,60.25 45.885,60.346
  Bottom Layer w0.2: R25.2@5.965,43.83 5.965,43.98 5.957,43.989 3.049,43.989 1.4,45.637 1.4,55 2.214,55.814 11.689,55.814 14.005,58.131 14.005,61.139 15.813,62.947 22.434,62.947 26.562,67.074 35.874,67.074 38.2,69.4 41.6,69.4 43.695,71.495 P13.P@47.29,71.495
BOOT0: R1.1 U1.45 | length 4.1
  Top Layer w0.2: R1.1@36.717,38.71 36.717,38.695 37.115,38.297 37.13,38.297 38.684,36.743 U1.45@38.684,35.429
CAN_N: D8.1 P1.1 R7.1 U2.6 | length 17.7
  Top Layer w0.16: U2.6@43.73,16.2 43.73,15.775 43.975,15.53 44.086,15.53 44.18,15.436 44.18,14.787 44.177,14.783 44.177,13.795 44.083,13.701 43.931,13.701 43.361,13.131 43.361,12.869 43.931,12.299 44.083,12.299 44.177,12.205 44.177,10.232 45.594,8.815 45.594,8.682 45.5,8.588 45.359,8.588 45.139,8.368 D8.1@45.139,8.053 45.811,8.053 45.904,7.96 45.904,7.411 47.316,5.999 48.084,5.999 49.234,4.849 49.234,4.094 49.141,4 P1.1@48.169,4
CAN_P: D8.2 P1.2 R7.2 U2.7 | length 18.2
  Top Layer w0.16: U2.7@45,16.2 45,15.775 44.755,15.53 44.644,15.53 44.55,15.436 44.55,14.633 44.546,14.63 44.546,13.795 44.64,13.701 44.791,13.701 45.361,13.131 45.361,12.869 44.791,12.299 44.64,12.299 44.546,12.205 44.546,10.386 46.344,8.588 46.819,8.588 47.039,8.368 D8.2@47.039,8.053 46.368,8.053 46.274,7.96 46.274,7.564 47.469,6.369 48.238,6.369 49.604,5.003 49.604,4.094 49.698,4 P1.2@50.669,4
DIFF_I2C_EN: U1.14 U3.3 | length 10.8
  Top Layer w0.2: U3.3@33.746,21.1 33.746,19.713 33.992,19.467 v1(33.992,19.346) ; v1(36.031,24.191) 36.036,24.196 36.036,24.706 36.362,25.032 37.268,25.032 37.626,25.389 37.626,25.613 37.676,25.663 U1.14@37.676,26.251
  Bottom Layer w0.2: v1(33.992,19.346) 33.992,19.426 36.031,21.464 v1(36.031,24.191)
FDCAN1_RX: U1.33 U2.4 | length 18.3
  Top Layer w0.2: U2.4@42.46,21.6 42.46,22.025 43.257,22.822 47.604,22.822 47.986,23.204 47.986,30.96 47.207,31.739 U1.33@44.164,31.739
FDCAN1_TX: U1.34 U2.1 | length 15.8
  Top Layer w0.2: U1.34@44.164,32.239 47.561,32.239 48.489,31.311 48.489,23.004 47.085,21.6 U2.1@46.27,21.6
GND: C1.1 C2.1 C3.1 C4.1 C5.1 C6.1 C7.1 C8.1 C9.1 C10.2 C11.1 C12.2 C13.1 C14.1 C15.1 C16.1 C18.2 C19.2 C20.2 C21.2 C22.1 C24.2 C25.2 C26.2 C27.2 C28.1 C29.1 C30.1 C32.2 C33.2 C34.2 C35.2 C36.1 C37.1 C39.2 C40.2 C41.2 C42.2 C43.1 C44.1 C45.1 C46.1 C47.1 C48.1 C49.1 C50.1 C51.1 C52.1 C53.1 C54.1 C55.1 C56.1 C57.1 C58.1 D1.1 D4.1 D5.1 D6.1 D7.1 D8.3 D9.2 D10.3 D11.1 D12.1 D14.1 D15.1 D16.1 D17.1 D19.1 D20.1 JP1.3 JP2.3 P2.2 P3.2 P5.N P6.2 P7.2 P8.N P13.N P16.2 PB1.2 Q1.2 Q2.4 Q3.2 Q4.2 Q5.1 Q5.3 Q6.1 Q6.3 R1.2 R3.1 R11.2 R12.2 R19.2 R28.2 R31.2 R32.2 R38.2 R39.2 R40.2 R48.2 R49.2 R50.2 R58.1 R59.1 R60.2 R61.2 R62.2 R65.1 R66.1 R69.1 R70.1 R72.1 U1.19 U1.23 U1.35 U1.47 U2.2 U2.8 U3.5 U4.1 U4.11 U5.1 U5.11 U6.2 U7.1 U7.11 U8.2 U9.1 U9.11 U10.2 U11.4 U11.5 U12.5 U13.2 U14.2 U15.2 U16.2 U17.2 Y1.2 Y1.4 | length 174.2
  Top Layer w0.2: v1(6.8,2) 7.983,2 PB1.2@8.01,2.026 ; v1@8,36.8 v1(8,36.831) D12.1@8,38.7 ; C11.1@10.35,6 10.4,6.05 v1(10.4,7.4) ; PB1.2@12.51,2.026 12.536,2 v1(13.8,2) ; D14.1@16.071,3.75 D15.1@18.325,3.75 18.425,3.75 20.018,2.157 v1(20.052,2.157) ; R61.2@16.346,10.411 18.467,10.411 v1(18.959,10.903) ; R39.2@16.565,24.8 v1(18.2,24.8) ; R59.1@17.654,40.67 17.733,40.748 18.713,40.748 v1(19.33,40.132) ; v1(17.8,45.6) 17.8,46.959 C48.1@17.802,46.961 C47.1@17.802,48.739 ; U12.5@17.83,51.106 17.831,51.107 v1(18.774,51.108) ; v1(19.2,47.4) 20.572,47.4 C54.1@20.617,47.445 ; C49.1@22.511,19.947 C49.1@22.559,19.898 ; C55.1@25.032,42.635 25.082,42.585 25.875,42.585 v1(26.506,43.216) ; R11.2@25.115,4.944 25.115,4.915 25.236,4.915 25.815,5.494 25.815,5.615 26.433,6.233 26.433,6.837 v1(26.48,6.883) ; U16.2@25.135,46.591 26.529,46.591 R70.1@27.534,47.595 ; U13.2@26.25,18.85 27.441,18.85 28.445,19.854 R65.1@28.595,19.854 ; R70.1@27.684,47.595 R70.1@27.534,47.595 ; v1@28.147,34.557 28.147,34.464 28.631,33.98 29.152,33.98 29.752,33.38 Y1.4@29.752,33.308 ; R65.1@29.141,19.9 29.291,19.9 30.181,20.789 30.181,20.931 30.595,21.345 v1(30.595,21.435) ; C51.1@29.145,14.688 v1(30.395,14.688) ; v1(29.6,45.6) 30.865,45.6 R58.1@31.1,45.835 ; v1(29.6,47.6) 27.539,47.6 R70.1@27.534,47.595 ; Y1.2@32.052,37.108 32.057,37.114 v1(32.057,38.59) ; U3.5@32.746,21.1 32.761,21.085 32.761,19.438 v1(32.777,19.423) ; v1(34.679,18.409) 34.688,18.4 36.3,18.4 C14.1@36.7,18 C13.1@36.7,19.704 ; v1(35.4,47.4) 36.647,47.4 C53.1@36.732,47.485 ; C5.1@37.126,36.566 37.126,36.516 37.526,36.116 37.576,36.116 37.699,35.992 37.699,34.75 U1.47@37.676,34.727 ; U1.47@37.68,34.461 37.68,33.745 38.737,32.687 v1@38.737,32.568 ; U1.19@40.176,26.251 40.176,25.663 40.226,25.613 40.226,25.202 40.545,24.883 v1(40.545,24.748) ; C15.1@40.8,22.4 40.85,22.4 41.533,23.083 42.105,23.083 v1(42.149,23.039) ; v1(41,7.6) 41,4.99 R3.1@41.046,4.944 ; U15.2@41.25,46.63 42.829,46.63 43.834,47.635 R69.1@43.984,47.635 44.515,47.104 v1(45.138,47.104) ; U1.23@42.176,26.251 42.19,26.265 42.19,27.868 v1@42.203,27.881 ; v1(42.4,32.8) 42.431,32.769 43.527,32.769 43.557,32.739 U1.35@44.164,32.739 ; U2.2@45,21.6 45.225,21.375 45.225,20.8 v1@46.077,19.948 ; C4.1@46.055,34.808 46.101,34.762 v1(47.275,34.762) ; D8.3@46.089,10.173 46.089,10.397 46.289,10.597 v1@47.131,10.597 ; v1(46.132,14.777) 46.132,16.062 U2.8@46.27,16.2 ; v1(47.405,43.804) 47.405,43.939 47.711,44.246 47.711,45.8 R60.2@47.746,45.835 ; v1(48.188,16.996) 48.218,16.996 49.814,15.399 C52.1@49.814,15.349 ; v1@48.913,19.933 v1(49,19.933) 50.117,19.933 C50.1@50.195,19.854 ; v1(51.6,47.901) 51.735,47.901 51.891,47.745 52.417,47.745 C57.1@52.817,47.345 ; v1(51.708,7.861) 51.794,7.775 52.131,7.775 52.603,7.303 52.683,7.303 D10.3@52.736,7.25 ; v1(53.202,19.064) 54.414,19.064 U14.2@54.45,19.1 54.65,19.3 55.091,19.3 55.695,19.904 R66.1@56.795,19.904 ; C58.1@57.1,42.45 57.25,42.6 v1(58.8,42.6) ; U17.2@57.335,46.491 58.846,46.491 R72.1@59.85,47.495 ; D19.1@63.175,3.65 D20.1@65.454,3.65 65.554,3.65 67.2,2.004 v1(67.2,2) ; C45.1@64.35,48.739 C46.1@64.35,47.1 64.4,47.05 v1(64.4,45.8) ; U11.4@64.38,50.456 U11.5@64.38,51.106 v1@65.372,51.106 ; R62.2@64.84,12.833 64.859,12.852 v1(64.859,15.265) ; D17.1@71.935,38.8 72.134,38.601 72.134,37.967 v1(73.234,36.867) ; v1(18.774,51.108) v1(18.774,51.108)
  Top Layer w0.254: v1(10.4,49) 9,47.6 D11.1@7.978,47.6 D5.1@7.978,45.576 D4.1@7.978,43.553 8.331,43.2 v1(13.2,43.2) ; U7.1@18.572,31.004 18.724,31.004 18.772,31.052 U7.11@18.772,31.854 ; v1(23.218,9.226) 24.151,9.226 U8.2@24.325,9.4 ; v1(27.293,11.279) 28.771,11.279 C37.1@28.85,11.2 ; R1.2@35.043,38.554 R1.2@35.086,38.596 ; v1(35.091,39.941) 35.091,38.601 R1.2@35.086,38.596 ; R1.2@35.444,38.297 35.385,38.297 R1.2@35.086,38.596 ; v1(36.028,41.566) 36.028,41.687 36.29,41.949 36.29,42.579 C56.1@36.663,42.952 ; Q1.2@41.235,62.15 41.27,62.115 42.394,62.115 42.479,62.2 v1(42.6,62.2) ; v1@44.6,40.2 v1(44.792,40.2) 46.08,40.2 C30.1@46.105,40.175 46.155,40.175 46.98,41 U6.2@47.997,41 ; C44.1@49.6,10.3 49.645,10.345 v1(51.059,10.345) ; v1(51.447,72.169) 51.447,71.579 R32.2@52.328,70.698 ; v1@51.753,38.782 52.4,39.429 C29.1@52.4,40.175 ; U10.2@54.075,12.6 55.158,12.6 v1(55.275,12.483) ; U9.1@56.721,30.98 56.873,30.98 56.921,31.028 U9.11@56.921,31.83 ; v1(58.392,48.136) 58.477,48.05 58.477,47.923 58.905,47.495 59.85,47.495 R72.1@60,47.495 ; v1(70.185,40.39) 70.198,40.403 70.727,40.403 D6.1@71.995,41.671 ; v1(70.354,49.074) 70.439,48.989 70.79,48.989 72.011,47.767 D16.1@72.011,47.667 D1.1@72.011,45.646 ; D1.1@72.011,45.646 72.011,43.662 72.046,43.627 D6.1@72.046,41.503
  Top Layer w0.4: D9.2@38.806,55.956 D9.2@39.116,55.956 ; v1(39.169,64.278) 39.208,64.239 40.831,64.239 R12.2@40.87,64.2
  Bottom Layer w0.2: v1@28.147,34.557 v1(28.312,34.557) 29.482,34.557 C10.2@29.589,34.45 ; C12.2@32.052,36.15 32.057,36.155 v1(32.057,38.59) ; C7.1@37.176,30.93 37.576,31.33 37.576,31.436 38.708,32.568 v1@38.729,32.568 ; v1(37.2,23) 37.2,24.3 C1.1@37.3,24.4 C2.1@37.3,26.178 ; v1@42.203,27.881 v1(42.203,27.965) 42.203,28.966 C9.1@42.326,29.089 C8.1@42.326,30.889 ; C16.1@45.669,18.614 45.825,18.77 45.825,19.581 46.084,19.84 v1(46.084,19.948) ; C6.1@46.345,26.711 C3.1@46.345,24.933 46.4,24.878 v1(46.4,23.6) ; v1(63.582,9.225) 63.582,10.782 R50.2@63.6,10.8 R49.2@65.8,10.8
  other v1: 47.2,10.597 58.874,17.346 60.06,17.346 58.874,18.697 58.874,20.049 58.874,21.4 60.127,21.4 61.2,21.4 38.737,32.8 51.753,38.907 65.445,51.105
  other v2: 19.172,14.725 20.503,14.731 21.943,14.731 20.503,15.731 21.943,15.731 19.145,15.741 19.8,20.4 20.937,20.4 49.722,31.555 50.722,31.555 51.722,31.555 55.139,31.769 13.4,31.8 17,31.8 12.14,31.856 12.14,32.8 13.8,38.4 15,38.4 16.2,38.4 17.4,38.4 18.6,38.4 19.8,38.4 21,38.4 61.8,38.4 63,38.4 64.2,38.4 65.4,38.4 65.2,54.454 27.891,56.6 31.946,56.6 33.231,56.6 34.515,56.6 35.8,56.6 65.2,56.8 31.946,57.8 33.231,57.8 34.515,57.8 35.8,57.8 31.946,59 33.231,59 34.515,59 35.8,59 27.891,59.2 65.2,59.2 27.891,61.4 65.2,61.6 65.2,64 23.334,69.007 24.584,69.007 25.835,69.007 60.742,69 62.342,69 23.334,70.207 24.584,70.207 25.835,70.207 60.742,70.3 62.342,70.3 62.342,71.6
I2C1_SCL: U1.39 U11.1 U12.1 | length 74.5
  Top Layer w0.2: U12.1@16.05,51.756 16.027,51.732 15.347,51.732 14.921,51.306 14.921,45.225 16.145,44 v1(21.4,44) ; v1(39.038,40.819) 42.037,40.819 42.037,40.77 v1(42.756,40.051) ; U1.39@41.676,34.727 41.676,36.369 v1(42.803,37.496) ; v1(61.6,43.6) 61.6,51.053 62.303,51.756 U11.1@62.6,51.756
  Bottom Layer w0.2: v1(21.4,44) 35.857,44 v1(39.038,40.819) ; v1(42.756,40.051) v1@42.803,40.098 ; v1@42.779,40.027 42.779,37.52 v1(42.803,37.496) ; v1@42.803,40.051 v1@42.803,40.098 ; 44.068,42.668 45.986,44.586 50.214,44.586 52,42.8 55.775,42.8 56.575,43.6 v1(61.6,43.6) ; 44.069,42.667 44.069,41.364 v1@42.803,40.098
I2C1_SDA: U1.44 U11.6 U12.6 | length 66
  Top Layer w0.2: U12.6@17.83,51.756 18.045,51.756 18.394,52.104 18.904,52.104 v1(19,52.2) ; v1(39.163,38.208) 39.169,38.201 39.169,34.733 U1.44@39.176,34.727 ; U11.6@64.38,51.756 64.415,51.791 64.866,51.791 v1(65.445,52.37)
  Bottom Layer w0.2: v1(19,52.2) 19.401,52.601 21.999,52.601 28.005,46.595 32.155,46.595 33.54,45.209 39.612,45.209 39.909,44.913 41.396,46.4 48.303,46.4 49.1,47.197 58.575,47.197 63.748,52.37 v1(65.445,52.37) ; v1(39.163,38.208) 39.896,38.941 39.896,44.9
I2C2_SCL: R6.2 U1.31 U3.4 | length 21.6
  Top Layer w0.2: R6.2@30.418,24.133 30.61,23.941 31.141,23.941 31.89,23.192 32.831,23.192 33.261,22.763 33.261,21.115 U3.4@33.246,21.1 ; R6.2@30.483,24.068 31.41,24.995 33.536,24.995 34.263,25.722 34.532,25.722 v1(35.624,26.814) ; v1@37.986,28.02 40.705,30.739 U1.31@44.164,30.739
  Bottom Layer w0.2: v1(35.624,26.814) 36.202,27.392 36.202,27.533 36.684,28.015 v1(37.991,28.015)
I2C2_SCL_N: P11.1 R10.1 R11.1 U3.6 | length 27
  Top Layer w0.16: R11.1@25.115,2.944 24.965,2.944 23.873,1.852 23.873,1.494 23.967,1.4 29.8,1.4 30.371,1.971 30.371,3.217 30.261,3.326 30.04,3.326 P11.1@29.366,4 30.338,4 30.431,4.094 30.431,7.377 32.615,9.56 32.615,12.205 32.521,12.299 32.37,12.299 31.8,12.869 R10.1@31.8,13 31.8,13.131 32.37,13.701 32.521,13.701 32.615,13.795 32.615,14.937 32.811,15.133 32.811,16.635 U3.6@32.746,16.7
I2C2_SCL_P: P11.2 R9.2 R10.2 U3.7 | length 28.1
  Top Layer w0.16: R9.2@22.261,2.944 22.411,2.944 23.388,1.967 23.388,1.393 23.795,0.986 29.971,0.986 30.801,1.816 30.801,3.2 P11.2@31.601,4 ; P11.2@31.866,4 P11.2@31.601,4 ; U3.7@33.246,16.7 33.181,16.635 33.181,14.98 32.985,14.784 32.985,13.795 33.079,13.701 33.23,13.701 33.8,13.131 R10.2@33.8,13 33.8,12.869 33.23,12.299 33.079,12.299 32.985,12.205 32.985,9.407 30.801,7.223 30.801,4.094 30.895,4 P11.2@31.601,4
I2C2_SDA: R5.2 U1.30 U3.2 | length 17.6
  Top Layer w0.2: R5.2@32.645,24.142 33.044,24.541 33.724,24.541 34.425,25.242 35.047,25.242 36.328,26.522 36.328,26.714 36.924,27.311 38.348,27.311 41.276,30.239 U1.30@44.164,30.239 ; R5.2@32.834,23.867 32.935,23.867 33.085,23.717 33.085,23.639 34.249,22.475 U3.2@34.249,21.103
I2C2_SDA_N: P11.4 R3.2 R4.2 U3.9 | length 28.7
  Top Layer w0.16: U3.9@34.246,16.7 34.181,16.635 34.181,15.519 34.791,14.909 37.003,14.909 37.785,14.128 37.785,13.795 37.879,13.701 38.03,13.701 38.6,13.131 R4.2@38.6,13 38.6,12.869 38.03,12.299 37.879,12.299 37.785,12.205 37.785,9.307 35.801,7.323 35.801,4.094 35.895,4 P11.4@36.801,4 ; P11.4@36.866,4 P11.4@36.801,4 ; R3.2@41.046,2.944 41.196,2.944 42.288,1.852 42.288,1.694 42.194,1.6 36.993,1.6 35.788,2.804 35.788,2.987 P11.4@36.801,4
I2C2_SDA_P: P11.3 R4.1 R8.1 U3.8 | length 29.9
  Top Layer w0.16: U3.8@33.746,16.7 33.811,16.635 33.811,15.366 34.637,14.539 36.85,14.539 37.415,13.974 37.415,13.795 37.321,13.701 37.17,13.701 36.6,13.131 R4.1@36.6,13 36.6,12.869 37.17,12.299 37.321,12.299 37.415,12.205 37.415,9.46 35.431,7.477 35.431,4.094 35.338,4 P11.3@34.431,4 ; P11.3@34.366,4 P11.3@34.431,4 ; R8.1@43.9,2.944 43.75,2.944 42.658,1.852 42.658,1.54 42.347,1.23 36.89,1.23 35.454,2.666 35.454,2.978 P11.3@34.431,4
NetC1_2: C1.2 C2.2 U1.20 | length 6.9
  Top Layer w0.2: v1(39.797,27.742) 39.893,27.647 40.092,27.647 40.626,27.113 40.626,26.888 40.676,26.838 U1.20@40.676,26.251
  Bottom Layer w0.2: v1(39,23.2) C1.2@39,24.4 39,26.967 39.775,27.742 v1(39.797,27.742)
NetC17_1: C17.1 L1.1 U4.8
NetC17_2: C17.2 U4.7 | length 3.3
  Top Layer w0.2: C17.2@18.607,60.675 18.607,61.422 19.463,62.278 20.156,62.278 20.36,62.482 20.536,62.482 20.611,62.557 U4.7@20.611,62.682
NetC22_2: C22.2 R18.1 U4.9 | length 14.3
  Top Layer w0.3: v1(15.043,60.964) 15.116,61.037 15.116,61.764 16.092,62.739 R18.1@16.092,62.754 ; U4.9@22.461,62.782 23.181,62.782 v1(23.559,62.404) 23.569,62.404 23.919,62.754 C22.2@24.807,62.754
  Bottom Layer w0.3: v1(15.043,60.964) 15.086,60.964 15.418,60.631 21.786,60.631 v1(23.559,62.404)
NetC23_1: C23.1 L2.1 U5.8
NetC23_2: C23.2 U5.7 | length 3.4
  Top Layer w0.25: C23.2@55.396,60.742 55.396,61.574 56.143,62.321 57.096,62.321 57.35,62.575 57.35,62.7 U5.7@57.4,62.75
NetC28_2: C28.2 R23.1 U5.9 | length 13.7
  Top Layer w0.3: v1(51.509,61.434) 52.881,62.807 R23.1@52.881,62.822 ; U5.9@59.25,62.85 59.375,62.85 59.866,62.359 60.146,62.359 v2(60.223,62.282) 60.299,62.359 60.932,62.359 60.996,62.422 61.046,62.422 61.396,62.772 C28.2@61.396,62.822
  Bottom Layer w0.3: v1(51.509,61.434) 53.258,61.434 54.106,62.282 v2(60.223,62.282)
NetC31_1: C31.1 L3.1 U7.8
NetC31_2: C31.2 U7.7 | length 3.1
  Top Layer w0.2: U7.7@19.872,30.004 19.997,30.004 20.072,29.929 20.072,29.754 20.276,29.55 20.276,29.198 21.137,28.337 21.542,28.337 C31.2@21.879,28
NetC36_2: C36.2 R37.1 U7.9 | length 13.1
  Top Layer w0.25: C36.2@18.4,34.2 18.45,34.2 18.825,33.825 18.825,33.289 19.063,33.051 v1(19.063,32.929) 19.149,32.843 19.458,32.843 19.772,32.529 U7.9@19.772,31.854 ; R37.1@19.8,25.485 19.815,25.485 20.215,25.885 20.215,26.105 20.475,26.365 20.927,26.817 21.74,26.817 v1(21.777,26.78)
  Bottom Layer w0.25: v1(19.063,32.929) 21.801,30.191 21.801,26.804 v1(21.777,26.78)
NetC38_1: C38.1 L4.1 U9.8